# Allegro board AX7021B.brd (continued)
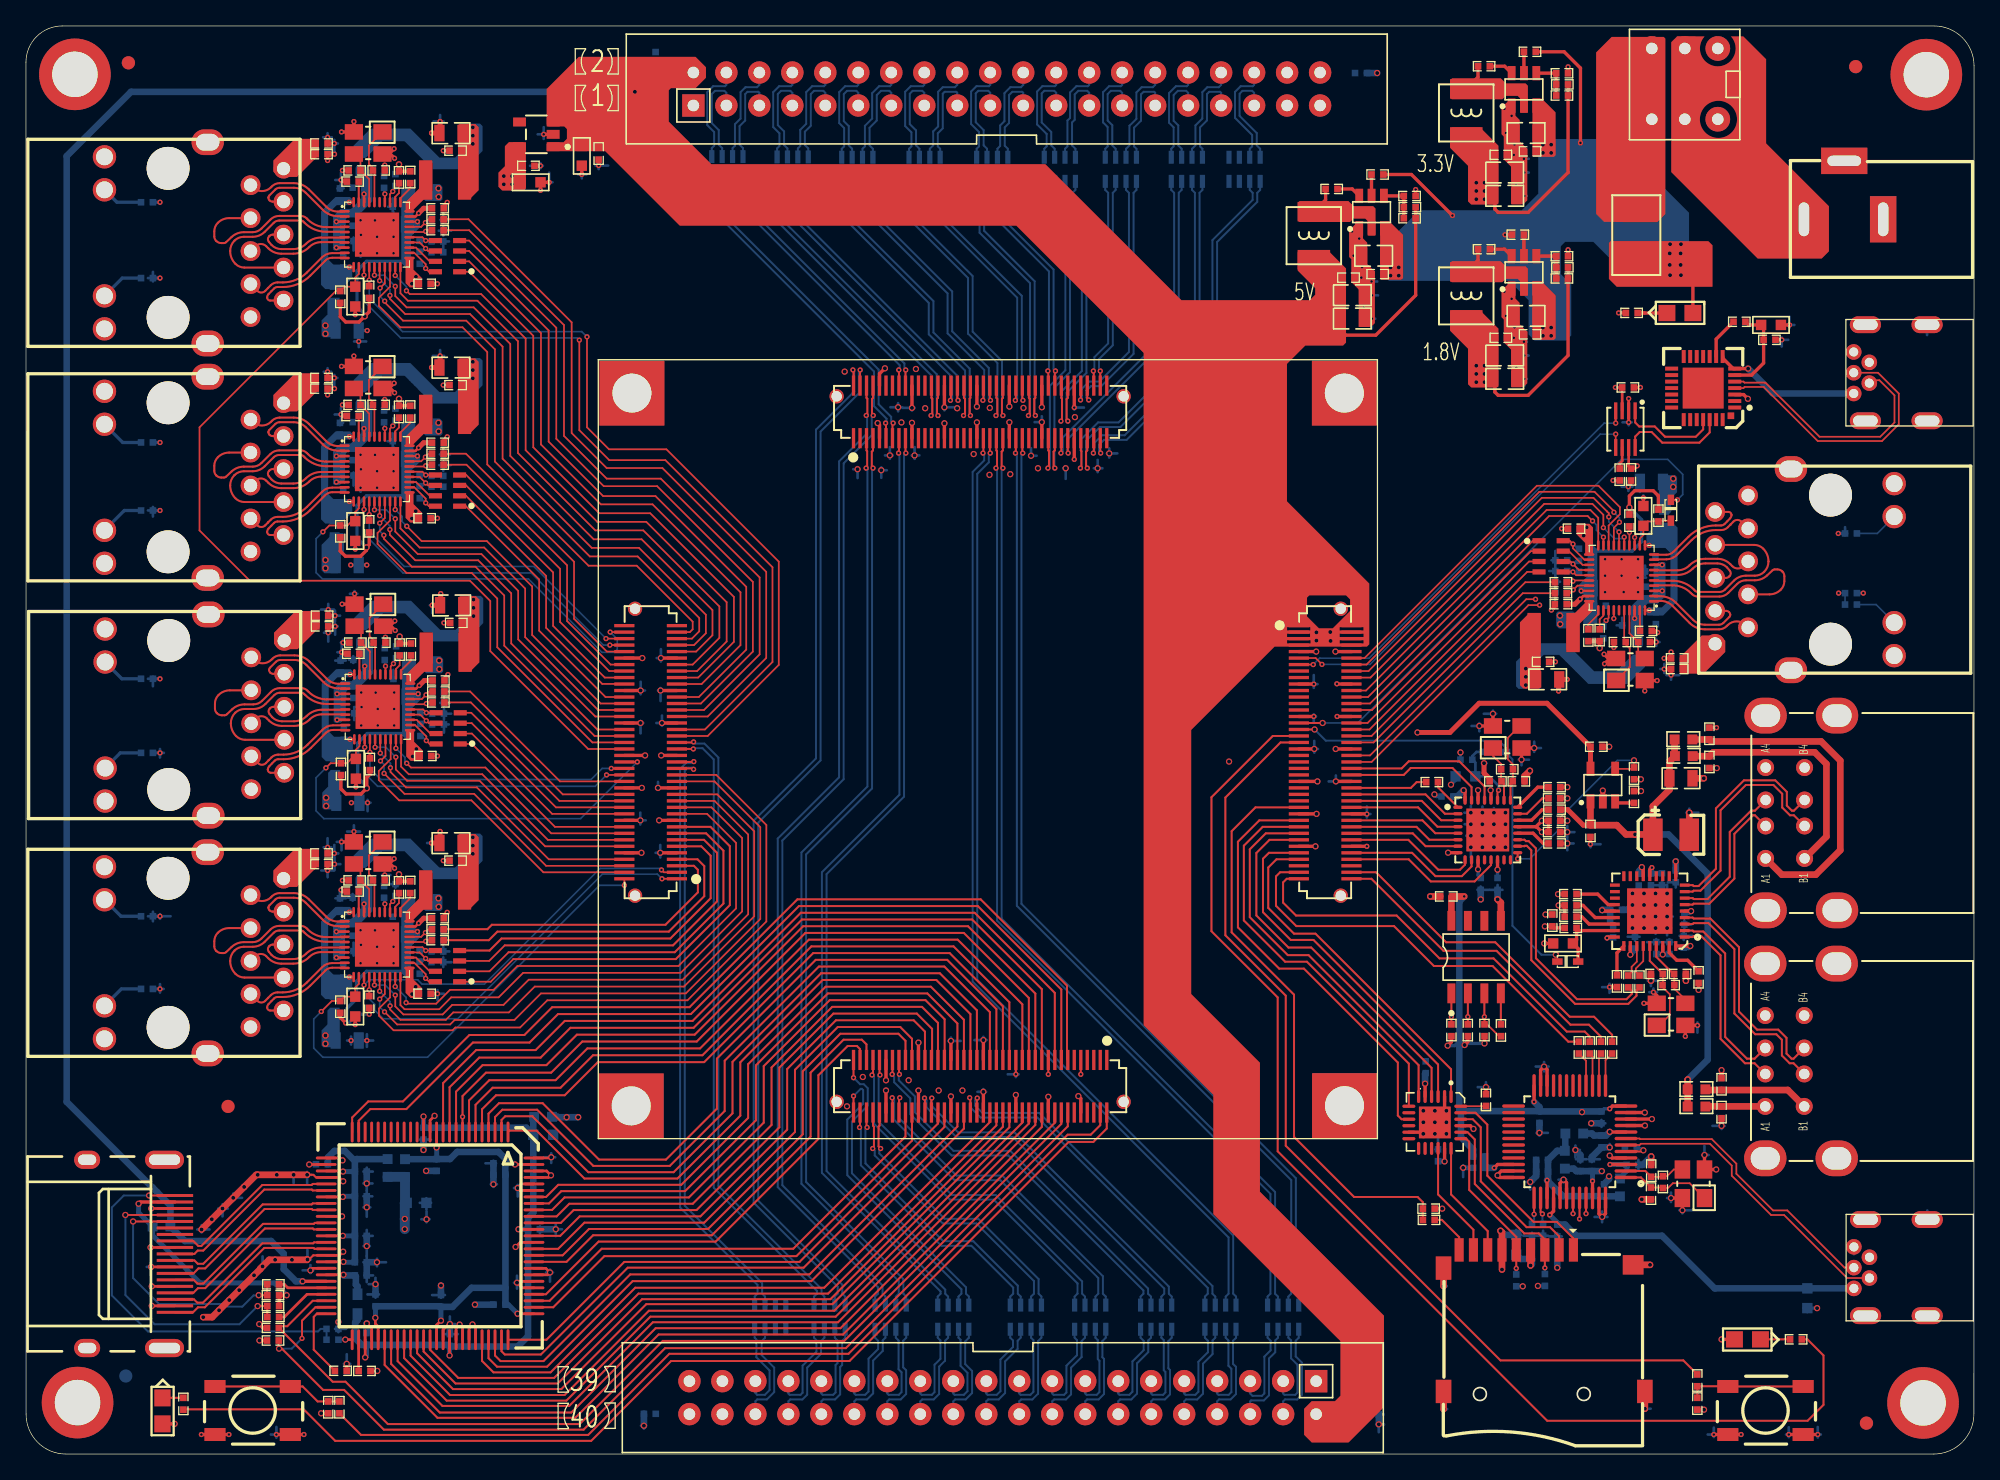
[diagram p0: board, top side]
## Routing (per net, layer and track width the routed paths; a pad name or vN(x,y) marks a point on that pad's centre or on a via; arc(x,y) is an arc through that point) (continued)
  BOTTOM w0.127: v1(28.03,89.25) 28.03,89.7 27.35,90.38 v1(27.23,90.38)
PHY5_TXD3: length 48
  TOP w0.127: CON3.71 51.6,61.81 52.86,63.07 52.86,65.01 47.41,70.46 43.72,70.46 37.29,76.88 37.29,85.51 34.48,88.32 29.31,88.32 28.44,89.2 v1(28.44,89.94) ; U13.15 v1(26.83,90.8)
  BOTTOM w0.127: v1(28.44,89.94) 27.58,90.8 v1(26.83,90.8)
PL_KEY: length 70.1
  TOP w0.152: CON4.4 82.73,25.33 81.99,24.6 80.21,24.6 63.34,7.72 49.55,7.72 43.29,1.47 25.8,1.47 R129.2
PL_LED: length 83.3
  TOP w0.152: CON4.2 83.23,25.07 82.19,24.04 80.29,24.04 63.41,7.16 49.67,7.16 43.52,1.01 23.81,1.01 21.39,3.44 12.15,3.44 R133.1
PS_KEY: length 75.2
  TOP w0.152: R121.2 127.62,7.21 113.54,7.21 97.01,23.75 97.01,35.31 92.36,39.96 92.36,50.57 96.6,54.81 CON1.37
PS_LED: length 95.2
  TOP w0.152: CON1.35 96.01,55.31 91.29,50.59 91.29,40.27 96.39,35.17 96.39,23.32 117.14,2.56 137.19,2.56 138.42,3.79 138.42,7.59 137.18,8.83 R131.1
RGMII_VCC:
  vias: v2(31.77,97.49) v2(31.78,96.83) v2(31.77,79.43) v2(31.78,78.77) v2(31.82,61.12) v2(31.77,42.81) v2(31.78,42.15) v2(31.83,60.46) v2(36.8,98.44) v2(36.8,97.8) v2(37.43,98.44) v2(37.43,97.8)
SD_CD: length 44.8
  TOP w0.152: CON1.57 94.68,49.81 92.84,47.97 92.84,40.19 97.65,35.38 97.65,24.43 102.27,19.8 107.16,19.8 107.57,19.4 R19.1 R20.2
SD_CLK: length 33.6
  TOP w0.152: CON1.61 94.97,48.81 93.32,47.16 93.32,40.57 96.5,37.39 98.41,37.39 105.64,30.16 105.64,26.08 105.93,25.79 U5.9
SD_CMD: length 29.1
  TOP w0.152: CON1.67 95.76,47.31 94.75,46.3 94.75,41.48 97.22,39.01 98.97,39.01 108.24,29.74 U5.4
SD_D0: length 29.7
  TOP w0.152: U5.6 107.24,29.96 98.77,38.43 97.16,38.43 94.24,41.36 94.24,46.58 95.47,47.81 CON1.65
SD_D1: length 31.2
  TOP w0.152: U5.7 106.49,26.79 106.49,30.07 98.64,37.92 96.96,37.92 93.78,41.1 93.78,46.86 95.24,48.31 CON1.63
SD_D2: length 27.1
  TOP w0.152: CON1.73 96.3,45.81 95.66,45.18 95.66,42.07 97.65,40.08 99.3,40.08 109.74,29.64 U5.1
SD_D3: length 27.9
  TOP w0.152: U5.3 108.74,30.01 99.15,39.6 97.39,39.6 95.25,41.74 95.25,45.85 95.71,46.31 CON1.71
TX_0N: length 13.7
  TOP w0.152: J9.9 12.97,14.91 13.23,14.66 13.65,14.66 18.23,19.23 22,19.23 22.08,19.3 U9.33
TX_0P: length 13.7
  TOP w0.152: J9.7 12.9,13.91 13.29,14.3 13.8,14.3 18.37,18.87 22.01,18.87 22.08,18.8 U9.34
TX_1N: length 13.7
  TOP w0.152: U9.36 22.24,17.8 22.17,17.73 18.25,17.73 13.65,13.13 13.19,13.13 12.91,13.41 J9.6
TX_1P: length 13.7
  TOP w0.152: U9.37 22.16,17.3 22.09,17.37 18.4,17.37 13.8,12.78 13.25,12.78 12.89,12.41 J9.4
TX_2N: length 13.7
  TOP w0.152: J9.3 12.94,11.91 13.19,11.66 13.63,11.66 18.2,16.23 22.12,16.23 22.19,16.31 U9.39
TX_2P: length 13.7
  TOP w0.152: J9.1 12.86,10.91 13.25,11.3 13.78,11.3 18.35,15.88 22.15,15.88 22.22,15.8 U9.40
TX_CN: length 13.8
  TOP w0.152: J9.12 12.88,16.41 13.27,16.03 13.5,16.03 18.2,20.73 22,20.73 22.08,20.8 U9.30
TX_CP: length 13.7
  TOP w0.152: U9.31 22.08,20.3 22.01,20.37 18.35,20.37 13.65,15.67 13.23,15.67 12.97,15.41 J9.10
UART_RX: length 33
  TOP w0.127: U4.5 v1(122.42,78.56) ; v1(99.8,60.82) 99.31,61.31 CON1.11
  BOTTOM w0.127: v1(99.8,60.82) 103.49,60.82 121.23,78.56 v1(122.42,78.56)
UART_TX: length 33
  TOP w0.127: CON1.13 v1(99.12,60.81)
  TOP w0.152: U4.4 v1(122.42,79.41)
  BOTTOM w0.127: v1(122.42,79.41) 121.53,79.41 103.43,61.3 99.62,61.3 v1(99.12,60.81)
USB2_5V: length 43.2
  TOP w0.381: C64.1 119.92,48.44 118.72,49.64 R40.1
  TOP w0.508: L26.2 L29.2 127.96,28.83 v3(127.96,28.84) ; U8.1 120.47,50.27 C64.1 122.5,48.44 123.21,47.73 v3(123.91,47.73) 125.25,47.73 C63.1 125.28,49.9 126.55,51.17 C62.1 126.55,53.33 L30.2 126.95,53.78 L27.2
  BOTTOM w0.508: v3(127.96,28.84) 129.5,30.37 129.5,44.7 126.47,47.73 v3(123.91,47.73)
USB_5V: length 27.3
  TOP w0.254: U1.40 117.63,18.71 v1(117.33,18.41)
  BOTTOM w0.381: v1(117.33,18.41) 117.92,17.83 C1.1
  BOTTOM w0.508: J1.1 140.75,12.76 C2.1 130.03,12.76 125.99,16.81 119.38,16.81 118.52,17.68 C1.1
USB_DM: length 2.5
  TOP w0.127: R150.2 123.64,37.12 123.64,37.53 124.04,37.93 U18.30
USB_DP: length 2.6
  TOP w0.127: R151.2 123.97,37.14 123.97,37.4 124.54,37.97 U18.31
USB_VBUS: length 2.7
  TOP w0.254: U7.22 115.94,48.82 116.75,49.64 R40.2
VIDEO1_AVCC: length 22.4
  TOP w0.203: U9.32 v3(24.4,19.8) ; U9.38 v3(24.4,16.8) ; v3(24.41,21.76) 24.37,21.8 U9.28 ; U9.42 v3(24.45,14.8)
  BOTTOM w0.381: C79.1 v3(24.41,21.76) ; C80.1 v3(24.4,16.8) ; C78.1 24.48,14.77 v3(24.45,14.8) ; v3(24.4,19.8) 24.45,19.85 C77.1
  BOTTOM w0.508: C78.1 C80.1 C77.1 C79.1 25.33,22.57 ; L9.1 25.48,22.72 25.33,22.57 ; 25.33,22.57 24.55,23.35 23.75,23.35 23.24,22.84 R51.2
VIDEO1_CORE: length 42.2
  TOP w0.203: v3(31.96,10.28) 31.62,9.94 U9.64 ; U9.55 27.12,9.82 26.9,10.04 v3(26.9,10.49) ; U9.76 v3(37.86,10.8) ; U9.99 v3(37.66,22.3) ; U9.12 v3(31.62,23.61)
  BOTTOM w0.381: v3(26.9,10.49) 26.92,10.51 C73.1 ; v3(37.86,10.8) 37.15,11.51 C74.1 ; v3(31.96,10.28) C71.1 ; C69.1 37.57,22.39 v3(37.66,22.3) ; v3(31.62,23.61) 31.62,23.52 31.63,23.51 C72.1
  BOTTOM w0.508: 36.92,12.8 36.92,21.49 C70.1 C69.1 36.91,22.75 36.39,23.27 33.2,23.27 32.66,22.72 C72.1 31.61,22.71 L8.1 ; 36.92,12.8 C74.1 ; 36.92,12.8 34.32,12.8 32.85,11.33 C71.1 31.91,11.38 C73.1
VIDEO1_VCCIO: length 49.9
  TOP w0.203: U9.89 37.93,17.3 v3(37.93,17.31) ; U9.66 v3(32.62,7.59) ; U9.53 v3(26.12,7.44) ; v3(30.61,26) 30.61,24.81 U9.14
  BOTTOM w0.381: C68.1 32.62,8.3 v3(32.62,7.59) ; v3(26.12,7.44) 26.22,7.55 C67.1 ; v3(37.93,17.31) C66.1 ; v3(30.61,26) C75.1
  BOTTOM w0.508: R43.2 25.53,10.31 25.35,10.13 25.35,8.92 25.86,8.41 C67.1 32.56,8.41 C68.1 32.68,8.28 37.88,8.28 38.66,9.07 C66.1 38.66,18.19 39.07,18.59 C65.1 ; L7.2 39.07,25.91 C65.1 ; C65.1 38.52,25.14 C75.1
VPHY: length 3.8
  TOP w0.254: U1.3 v1(121.98,22.3)
  BOTTOM w0.381: v1(121.98,22.3) 123.22,22.3 C15.1 123.28,22.25 123.28,21.82 122.74,21.29 L2.2
VPLL: length 3.5
  TOP w0.254: v3(121.96,24.82) 121.97,24.8 U1.8
  BOTTOM w0.508: L1.2 120.58,24.69 120.74,24.54 C13.1 121.68,24.54 v3(121.96,24.82)
VUSB_V_EN: length 15.1
  TOP w0.127: v3(123.83,53.43) R42.2 123.72,52.78 U8.4
  TOP w0.152: U7.17 v1(114.87,45.85)
  BOTTOM w0.127: v1(114.87,45.85) 115.8,45.85 117.94,48 117.94,48.83 122.54,53.43 v3(123.83,53.43)
N16524379: length 15.9
  TOP w0.152: U5.23 111.62,26.29 112.53,25.37 112.53,21.44 116.09,17.88 117.89,17.88 119.16,16.61 J3.1
N16524383: length 14.8
  TOP w0.152: J3.2 118.06,16.77 117.36,17.48 115.55,17.48 112.02,21.01 112.02,25.17 111.41,25.79 U5.22
N16524395: length 14.6
  TOP w0.152: U5.20 111.01,24.79 111.57,24.23 111.57,20.8 115.38,16.99 116.49,16.99 116.96,16.53 J3.3 v1(116.96,14.34)
  BOTTOM w0.152: v1(116.96,14.34) 116.97,14.34 R17.1
N16524421: length 12.5
  TOP w0.152: U5.19 110.9,24.29 111.13,24.05 111.13,20.35 114.76,16.72 J3.5 v1(114.76,14.3)
  BOTTOM w0.152: v1(114.76,14.3) 114.76,14.3 R16.1
N16524425: length 9
  TOP w0.152: J3.7 112.56,17.17 109.74,20 U5.18
N16524429: length 8.9
  TOP w0.152: U5.16 108.74,20 111.46,17.28 J3.8
N16546528: length 1.9
  TOP w0.127: U5.24 112.41,26.79 R18.2
N16579258: length 3.4
  TOP w0.152: J3.9 110.36,16.71 109.03,18.04 R20.1
N20033644: length 2.3
  TOP w0.254: LED9.2 124.63,87.89 124.62,87.9 R137.2
N20065139: length 7
  TOP w0.127: C244.2 126.01,20.53 R164.2 126.45,20.49 126.82,20.86 128.11,20.86 Y1.1
  TOP w0.152: C244.2 124.36,21.3 U1.1
N20065143: length 4.8
  TOP w0.127: C243.2 126.01,21.36 R164.1 126.37,21.4 126.89,21.92 Y1.3
  TOP w0.152: C243.2 124.7,21.8 U1.2
N20065179: length 2.7
  TOP w0.127: R3.2 121.63,30.34 U1.13
N20065181: length 2.7
  TOP w0.127: U1.16 120.13,30.29 R6.2
N20065207: length 2.6
  TOP w0.127: R5.2 120.63,30.63 U1.15
N20065314: length 2.4
  TOP w0.152: R12.2 113.57,33.11 U2.4
N20065556: length 2.5
  TOP w0.127: R4.2 121.13,30.7 U1.14
N20065715: length 2.1
  TOP w0.152: v1(116.77,18.49) 116.63,18.63 U1.38
  BOTTOM w0.152: v1(116.77,18.49) 116.77,17.79 C3.2
N20065717: length 2.1
  TOP w0.152: U1.37 v1(116.13,18.47)
  BOTTOM w0.152: C4.2 116.13,17.89 v1(116.13,18.47)
N20065767: length 22.1
  TOP w0.127: J1.3 140.04,14.36 135.63,18.77 134.53,18.77 131.71,21.59 131.71,22.37 129.82,24.26 124.3,24.26 124.26,24.3 U1.7
N20065769: length 23.5
  TOP w0.127: U1.6 124.26,23.8 124.35,23.9 129.67,23.9 131.35,22.22 131.35,21.44 134.38,18.41 135.39,18.41 140.24,13.56 J1.2
N20065771: length 3.2
  TOP w0.254: v1(113.07,22.05) 113.32,22.3 U1.34
  BOTTOM w0.508: R7.2 C5.1 v1(113.07,22.05)
N20065803: length 1.9
  TOP w0.152: U1.5 124.46,23.3 v3(124.55,23.39)
  BOTTOM w0.254: v3(124.55,23.39) 124.42,23.52 R8.2
N20114690: length 3
  TOP w0.254: R39.2 116.42,51.37 U7.24
N20114742: length 1.5
  TOP w0.254: U8.3 122.5,50.15 R41.2
N20114878: length 6.5
  TOP w0.127: C60.2 114.51,51.84 R38.1 114.51,53.11 114.11,53.51 114.11,55.16 115.03,56.08 Y3.3
  TOP w0.152: C60.2 114.32,51.65 U7.25
N20114880: length 4.4
  TOP w0.127: Y3.1 112.96,53.78 113.59,53.15 R38.2 113.59,51.85 C59.2
  TOP w0.152: C59.2 113.82,51.62 U7.26
N20115212: length 2.7
  TOP w0.254: U7.20 116.05,47.82 116.84,47.03 C58.2
N20115232: length 5.9
  TOP w0.152: v1(113.4,51.13) 113.32,51.05 U7.27
  BOTTOM w0.203: v1(113.4,51.13) 113.4,51.48 112.67,52.2 C57.1 111.61,53.25 R36.1 111.38,53.76 111.7,54.08 D2.2
N20115313: length 2.6
  TOP w0.152: R37.2 108.73,51.35 U7.1
N20218751: length 3.8
  TOP w0.203: U9.44 v3(24.45,13.8)
  BOTTOM w0.508: v3(24.45,13.8) 24.5,13.76 C76.2 25.4,13.68 25.4,13.05 25.53,12.92 R43.1
N20218864: length 1.8
  TOP w0.203: v3(21.81,22.3) U9.27
  BOTTOM w0.254: v3(21.81,22.3) 21.82,22.32 R51.1
N20218993: length 4.3
  TOP w0.203: R45.1 19.9,10.56 21.64,12.3 U9.47
N20218995: length 3.7
  TOP w0.203: R44.1 19.89,13.07 20.16,12.8 U9.46
N20218997: length 1.1
  TOP w0.203: v3(24.59,8.81) 25.11,8.81 U9.51
  BOTTOM w0.152: v3(24.59,8.81) 24.58,8.81 R47.1
N20218999: length 2.4
  TOP w0.203: R46.1 25.62,6.4 U9.52
N20219151: length 5.9
  TOP w0.152: U9.50 22.4,10.8 22.16,10.57 22.16,8.04 R50.1
N20246377: length 10.1
  TOP w0.152: R129.1 R123.1 22.46,4.05 21.31,5.2 KEY2.3 KEY2.4
N20246467: length 1.6
  TOP w0.152: LED2.2 10.52,4.33 R133.2
N20257827: length 2.3
  TOP w0.152: LED1.2 133.56,8.83 R131.2
N20257996: length 9
  TOP w0.152: R119.1 R121.1 131.04,5.22 KEY1.4 KEY1.3
N20328280: length 11.3
  TOP w0.254: U3.8 130.65,84.42 131.46,83.61 U3.7 v3(132.61,83.61)
  BOTTOM w0.508: J2.1 134.53,81.69 v3(132.61,83.61)
N20328299: length 19.1
  TOP w0.127: U3.5 132.25,82.61 132.34,82.53 133.95,82.53 138.11,78.36 142.79,78.36 143.89,79.46 143.89,81.55 142.72,82.71 142.17,82.71 J2.2
N20328339: length 21.4
  TOP w0.127: U3.4 132.25,82.11 132.34,82.2 133.81,82.2 137.97,78.03 142.92,78.03 144.22,79.32 144.22,81.69 142.61,83.29 J2.3
N20328351: length 3.2
  TOP w0.254: R159.1 130.15,85.88 U3.9
N20328357: length 6.9
  TOP w0.254: R159.2 132.65,86.97 C221.1 133.81,86.78 C222.1 133.81,84.04 132.88,83.11 U3.6
N20328387: length 8.4
  TOP w0.152: U3.26 129.65,78.69 128.86,77.9 126,77.9 125.18,78.72 124.27,78.72 123.92,78.37 U4.8
N20328389: length 7.6
  TOP w0.152: U4.1 123.92,79.46 124.22,79.15 125.42,79.15 126.21,78.36 128.58,78.36 129.15,78.93 U3.25
N20365659: length 5.9
  TOP w0.254: U18.26 119.61,40.32 R153.1 119.4,39.61 C236.1 119.53,38.93 D3.2
N20365863: length 2.5
  TOP w0.254: R152.2 122.51,38.61 U18.28
N20365866: length 3.3
  TOP w0.254: U18.22 121.84,42.32 121.03,43.13 R154.2
N20365873: length 3.3
  TOP w0.254: U18.24 120.84,41.32 119.9,42.26 R155.2
N20365876: length 3.2
  TOP w0.254: U18.25 120.37,40.82 119.8,41.39 R156.2
N20366975: length 1.7
  TOP w0.254: v3(126.04,38.48) U18.34
  BOTTOM w0.381: C230.1 126.08,38.52 v3(126.04,38.48) 126,38.52 C231.1
N20366989: length 2.1
  TOP w0.254: U18.14 125.04,45.01 v1(125.2,45.17)
  BOTTOM w0.381: v1(125.2,45.17) 125.13,45.1 C232.1 125.14,44.73 C233.1
N20367850: length 5.4
  TOP w0.127: C234.2 126.94,36.95 R157.1 126.94,35.84 127.78,35 Y8.3
  TOP w0.152: U18.33 125.54,38.3 126.86,36.98 C234.2
N20367872: length 7.3
  TOP w0.127: C235.2 126.04,36.14 R157.2 126.02,35.97 126.58,35.41 126.58,33.82 125.78,33.02 Y8.1
  TOP w0.152: C235.2 125.04,37.99 U18.32
N20369652: length 3.4
  TOP w0.254: R158.2 127.96,38.03 127.12,38.03 126.54,38.61 U18.35
N20375664: length 1.1
  TOP w0.254: v1(121.75,39.74) 121.82,39.82 U18.27
  BOTTOM w0.381: v1(121.75,39.74) 121.8,39.8 R163.1
N20563050: length 1.7
  TOP w0.254: R318.2 103.61,96.91 U20.5
N20563056: length 1.9
  TOP w0.254: U20.6 102.13,97.44 C616.1
N20563058: length 2.1
  TOP w0.254: L39.1 100.08,96.6 C616.2
N20563082: length 3.2
  TOP w0.254: U20.4 106.09,96.91 R316.1 R317.2 C618.1
N20564763: length 1.7
  TOP w0.254: U54.5 115.35,106.37 R325.2
N20564775: length 1.9
  TOP w0.254: U54.6 113.87,106.9 C628.1
N20564779: length 2.1
  TOP w0.254: L41.1 111.81,106.06 C628.2
N20564823: length 3.2
  TOP w0.254: U54.4 117.83,106.36 R323.1 R324.2 C629.1
N20565792: length 1.7
  TOP w0.254: U53.5 115.35,92.28 R326.2
N20565796: length 1.9
  TOP w0.254: C622.1 113.87,92.81 U53.6
N20565808: length 2.1
  TOP w0.254: L40.1 111.81,91.96 C622.2
N20565842: length 3.2
  TOP w0.254: U53.4 117.83,92.27 R319.1 R320.2 C624.1
N20568336: length 3.9
  TOP w0.127: D35.2 125.77,71.9 R1026.1 124.88,71.83 C1504.1 124.55,70.79 124.27,70.51 U6.12
N20568727: length 6
  TOP w0.127: Y9.1 123.5,60.62 123.5,62.06 123.19,62.36 C675.1 123.07,62.66 U6.36
N20568740: length 4.2
  TOP w0.127: U6.37 123.47,63.22 C676.1 124.15,61.78 Y9.3
N20569120: length 3.4
  BOTTOM w0.127: R1034.1 142.56,70.91 J4.13
N20569150: length 3.4
  BOTTOM w0.127: R1035.1 142.47,65.43 J4.12
N20571427: length 6
  TOP w0.127: Y4.1 26.41,46.11 26.41,44.67 26.71,44.37 C1505.1 26.83,44.07 U10.36
N20571435: length 4.2
  TOP w0.127: Y4.3 25.76,44.95 C1506.1 26.43,43.51 U10.37
N20571809: length 3.4
  BOTTOM w0.254: R1051.1 7.35,35.83 J10.13
N20573187: length 3.3
  BOTTOM w0.254: J10.12 7.31,41.42 R1052.1
N20576849: length 6
  TOP w0.127: U11.36 26.88,62.38 C1513.1 26.77,62.68 26.46,62.99 26.46,64.42 Y10.1
N20576857: length 4.2
  TOP w0.127: Y10.3 25.81,63.26 C1514.1 26.48,61.82 U11.37
N20577227: length 3.3
  BOTTOM w0.254: J11.13 7.27,54.01 R1068.1
N20577644: length 3.3
  BOTTOM w0.254: J11.12 7.39,59.71 R1069.1
N20580897: length 6
  TOP w0.127: U12.36 26.83,80.69 C1530.1 26.71,81 26.41,81.3 26.41,82.74 Y11.1
N20580905: length 4.2
  TOP w0.127: U12.37 26.43,80.14 C1531.1 25.76,81.57 Y11.3
N20581275: length 3.5
  BOTTOM w0.254: R1086.1 7.57,72.68 J12.13
N20581722: length 3.4
  BOTTOM w0.254: R1087.1 7.45,77.92 J12.12
N20585514: length 6
  TOP w0.127: Y12.1 26.41,100.8 26.41,99.36 26.71,99.06 C1547.1 26.83,98.75 U13.36
N20585516: length 4.2
  TOP w0.127: U13.37 26.43,98.2 C1548.1 25.76,99.63 Y12.3
N20585908: length 3.4
  BOTTOM w0.254: R1104.1 7.42,90.58 J13.13
N20586345: length 3.2
  BOTTOM w0.254: J13.12 7,96.42 R1105.1
N203282594: length 1.7
  TOP w0.203: U4.6 122.92,76.5 122.73,76.31 R160.2

## Copper pours and planes (outline as drawn; the poured copper is in the pictures)
GND on TOP (solid shape): 102.96,94.85 102.96,93.63 103.28,93.31 103.28,91.66 103.87,91.07 103.87,87.11 103.57,86.82 102.67,86.82 102.64,86.85 102.64,89.7 102.06,90.27 102.06,92.03 101.89,92.21 101.89,94.25 102.53,94.89 102.93,94.89
GND on TOP (solid shape): 114.69,104.31 114.69,103.09 115.02,102.76 115.02,101.11 115.61,100.53 115.61,96.57 115.31,96.27 114.41,96.27 114.37,96.31 114.37,99.15 113.8,99.73 113.8,101.49 113.63,101.66 113.63,103.7 114.26,104.34 114.66,104.34
GND on TOP (solid shape): 114.69,90.22 114.69,88.99 115.02,88.67 115.02,87.02 115.61,86.43 115.61,82.48 115.31,82.18 114.41,82.18 114.37,82.22 114.37,85.06 113.8,85.64 113.8,87.4 113.63,87.57 113.63,89.61 114.26,90.25 114.66,90.25
GND on BOTTOM: 146.94,109.29 148.61,108.6 149.3,106.93 149.29,3.1 148.59,1.41 146.91,0.71 3.07,0.71 1.41,1.4 0.72,3.07 0.71,107.21 1.32,108.68 2.79,109.29 ; 28 cut-outs
GND on BOTTOM: 80.54,79.67 80.48,79.77 80.39,79.85 80.39,81.16 80.88,81.16 81.01,80.93 81.27,80.87 81.36,80.9 81.43,80.95 81.52,80.99 81.61,80.95 81.7,80.89 81.85,80.85 81.88,80.82 81.09,80.04 81.09,80 80.76,79.67
GND on SGND: 146.94,109.49 148.75,108.74 149.5,106.93 149.49,3.1 148.74,1.27 146.91,0.51 3.07,0.51 1.26,1.26 0.52,3.07 0.51,107.21 1.18,108.82 2.79,109.49 123.19,109.49 123.19,106.06 132.44,106.06 132.44,109.49
VCC1V8 on TOP (solid shape): 113.39,86.68 113.39,82.31 113.23,82.16 111.29,82.16 111.05,82.4 111.05,85.14 109.67,86.52 109.67,87.95 109.82,88.1 111.96,88.1
VCC1V8 on BOTTOM (solid shape): 119.25,64.8 119.25,63.72 119.12,63.59 118.05,63.59 117.83,63.81 117.83,64.77 117.96,64.9 119.14,64.9
VCC1V8 on BOTTOM: 27.39,16.84 27.39,21.74 29.58,21.74 29.73,21.59 29.73,16.79 29.52,16.59 27.65,16.59
VCC1V8 on SVCC: 28.79,16.01 29.36,15.45 95.51,15.45 108.08,28.02 108.08,34.58 115.55,42.05 115.55,51.73 120.45,56.64 120.45,64.4 119.99,64.87 117.35,64.87 116.46,63.98 116.46,58.99 116.02,58.55 113.93,58.55 113.2,59.28 113.2,83.75 112.47,84.47 107.93,84.47 107.55,84.09 107.55,47.73 79.39,19.58 29.42,19.58 28.79,18.95
VCC3V3 on TOP (solid shape): 113.39,100.77 113.39,96.4 113.23,96.25 111.29,96.25 111.05,96.49 111.05,99.23 109.67,100.61 109.67,102.04 109.82,102.2 111.96,102.2
VCC3V3 on BOTTOM (solid shape): 24.16,88.87 24.16,86.18 24,86.02 22.9,86.02 22.76,86.16 22.76,87.32 23.22,87.78 23.22,88.85 23.36,89 24.03,89
VCC3V3 on BOTTOM (solid shape): 24.16,34.18 24.16,31.5 24,31.33 22.9,31.33 22.76,31.47 22.76,32.64 23.22,33.09 23.22,34.17 23.36,34.31 24.03,34.31
VCC3V3 on BOTTOM (solid shape): 24.21,52.49 24.21,49.81 24.05,49.65 22.95,49.65 22.81,49.79 22.81,50.95 23.27,51.41 23.27,52.48 23.41,52.62 24.08,52.62
VCC3V3 on BOTTOM (solid shape): 127.15,75.26 127.15,74.1 126.69,73.64 126.69,72.56 126.54,72.42 125.88,72.42 125.75,72.55 125.75,75.23 125.91,75.4 127.01,75.4
VCC3V3 on BOTTOM (solid shape): 24.49,70.86 24.49,69.45 24.24,69.19 24.24,68.07 24.01,67.84 22.98,67.84 22.76,68.07 22.76,70.03 23.39,70.66 23.39,70.85 23.48,70.94 24.41,70.94
VCC3V3 on BOTTOM: 102.58,107.47 102.58,102.46 102.24,102.13 98.61,102.13 98.33,102.41 98.33,107.59 98.66,107.92 102.12,107.92
VCC3V3 on BOTTOM: 52.33,2.03 51.95,1.65 48.45,1.65 48.24,1.85 48.24,6.25 48.27,6.27 48.27,6.91 48.85,7.49 51.83,7.49 52.33,6.98
VCC3V3 on SVCC: 146.94,109.29 148.61,108.6 149.3,106.93 149.29,3.1 148.59,1.41 146.91,0.71 3.07,0.71 1.41,1.4 0.72,3.07 0.71,107.21 1.32,108.68 2.79,109.29 ; 8 cut-outs
VCC5V on TOP (solid shape): 52.36,106.82 52.36,106.01 51.56,105.21 49.66,105.21 49.5,105.05 49.5,102.63 52.78,99.35 78.5,99.35 88.97,88.88 98.85,88.88 99.28,89.3 99.28,89.81 97.93,91.16 97.93,92.58 98.09,92.74 100.23,92.74 101.65,91.32 101.65,85.61 101.42,85.39 98.52,85.39 97.1,83.98 97.1,73.38 103.44,67.05 103.44,62.37 103.26,62.2 96.15,62.2 89.73,55.78 89.73,35.43 95.02,30.14 95.02,20.21 104.57,10.65 104.57,3.62 101.84,0.89 99.01,0.89 98.42,1.48 98.42,3.49 99.01,4.07 100.8,4.07 101.22,4.49 101.22,8.7 91.43,18.49 91.43,27.67 86.07,33.03 86.07,62.43 103,62.43 103,62.69 101.16,62.69 101.16,62.43 86.07,62.43 86.07,62.44 98.92,62.44 98.92,62.69 97.11,62.69 97.11,62.44 86.07,62.44 86.07,62.94 103,62.94 103,63.19 101.16,63.19 101.16,62.94 86.07,62.94 97.11,62.94 98.88,62.94 98.88,63.19 97.11,63.19 97.11,62.94 86.07,62.94 86.07,63.43 103,63.43 103,63.69 101.16,63.69 101.16,63.43 86.07,63.43 86.07,63.43 98.9,63.43 98.9,63.69 97.11,63.69 97.11,63.43 86.07,63.43 86.07,65.97 98.65,65.97 98.65,64.52 99.57,63.6 100.63,63.6 101.96,64.94 101.96,65.83 101.65,66.14 98.82,66.14 98.65,65.97 86.07,65.97 86.07,84.82 76.26,94.62 50.34,94.62 44.61,100.35 40.13,100.35 40.09,100.39 40.09,100.9 40.24,101.04 41.39,101.04 41.65,101.31 41.65,102.06 41.45,102.26 40.25,102.26 40.1,102.41 40.1,105.15 42.58,107.62 51.56,107.62
VCC5V on BOTTOM: 99.07,4.36 102.66,4.36 103.54,3.48 103.54,1.8 103.06,1.32 98.77,1.32 98.47,1.61 98.47,3.76
VCC5V on BOTTOM: 48.21,107.34 51.97,107.34 52.25,107.06 52.25,105.69 51.94,105.37 48.43,105.37 48.1,105.71 48.1,107.23
VCC12V on TOP (solid shape): 126.59,93.42 129.55,93.42 129.87,93.1 129.87,89.92 122.49,89.92 121.9,90.51 121.9,93.28 122.05,93.43 126.58,93.43
VCC12V on TOP (solid shape): 106.05,93.89 106.05,90.59 105.93,90.47 104.36,90.47 104.28,90.55 104.28,94.94 104.29,94.95 104.98,94.95
VCC12V on TOP (solid shape): 117.78,103.34 117.78,100.04 117.67,99.92 116.1,99.92 116.01,100.01 116.01,104.39 116.03,104.41 116.72,104.41
VCC12V on TOP (solid shape): 117.78,89.25 117.78,85.95 117.67,85.83 116.1,85.83 116.01,85.92 116.01,90.3 116.03,90.32 116.72,90.32
VCC12V on BOTTOM (solid shape): 128.07,95.61 128.07,90.77 127.77,90.48 123.59,90.48 120.69,93.37 118.53,93.37 118.19,93.03 118.19,90.89 118.99,90.09 118.99,86.16 118.6,85.77 116.17,85.77 115.71,86.23 115.71,88.87 114.21,90.37 104.95,90.37 104.54,90.78 104.54,93.05 107.29,95.8 115.17,95.8 116.45,97.08 116.45,100.96 116.79,101.3 122.38,101.3
PHY1_ADVDDL on BOTTOM (solid shape): 126.26,68.63 126.26,66.09 125.68,65.51 124.88,65.51 124.53,65.16 124.53,62.32 124.48,62.27 123.68,62.27 123.57,62.38 123.57,65.27 124.46,66.16 125.15,66.16 125.28,66.29 125.28,66.83 125.34,66.88 125.34,68.32 125.73,68.71 126.17,68.71
PHY1_AVDD33 on BOTTOM (solid shape): 127.18,71.36 127.18,65.7 126.08,64.59 124.85,64.59 124.79,64.65 124.79,65.08 124.93,65.22 125.98,65.22 126.64,65.87 126.64,69.4 126.24,69.79 124.87,69.79 124.78,69.88 124.78,70.83 125.64,71.68 126.86,71.68
PHY1_DVDDL on TOP (solid shape): 116.64,64.75 116.64,59.07 116.54,58.97 115.3,58.97 115.04,59.22 115.04,64.06 115.75,64.77 116.62,64.77
PHY1_DVDDL on TOP (solid shape): 120.67,71.37 120.67,69.32 120.54,69.2 120.17,69.2 120.07,69.3 120.07,70.18 119.41,70.85 119.41,71.5 119.55,71.65 120.39,71.65
PHY1_DVDDL on BOTTOM (solid shape): 120.75,60.3 122.46,60.3 123.69,61.53 124.52,61.53 124.69,61.36 124.69,60.64 123.36,59.32 120.31,59.32 118.07,61.56 116.87,61.56 116.12,60.81 116.12,59.16 115.89,58.94 114.94,58.94 114.75,59.13 114.75,61.04 116.16,62.45 118.6,62.45
PHY1_DVDDL on SVCC: 115.57,58.91 114.19,58.91 113.64,59.46 113.64,71.16 116.05,73.57 119.17,73.57 120.67,72.07 120.67,70.94 120.2,70.47 119.1,70.47 115.34,66.72 115.34,61.5 115.98,60.87 115.98,59.32
PHY1_IODVDD on BOTTOM (solid shape): 121,69.68 121,64.02 120.83,63.84 120.16,63.84 120.07,63.93 120.07,66.09 119.89,66.27 119.68,66.27 119.56,66.39 119.56,66.92 120.26,67.63 120.26,69.91 120.31,69.96 120.72,69.96
PHY1_REGOUT on TOP (solid shape): 120.67,65.76 120.67,64.98 119.62,63.94 119.62,61.86 119.6,61.84 118.73,61.84 118.61,61.96 118.61,64.11 120.29,65.79 120.63,65.79
PHY2_ADVDDL on BOTTOM (solid shape): 26.67,44.02 26.67,41.79 25.44,40.57 24.76,40.57 24.63,40.44 24.63,39.9 24.57,39.85 24.57,38.41 24.17,38.02 23.73,38.02 23.65,38.1 23.65,40.64 24.22,41.22 25.02,41.22 25.82,42.01 25.82,43.16 25.38,43.6 25.38,44.41 25.42,44.46 26.23,44.46
PHY2_AVDD33 on BOTTOM (solid shape): 25.12,41.99 25.12,41.65 24.97,41.51 23.93,41.51 23.27,40.86 23.27,37.34 23.67,36.94 25.03,36.94 25.12,36.85 25.12,35.9 24.27,35.05 23.05,35.05 22.72,35.37 22.72,41.03 23.83,42.14 24.96,42.14
PHY2_DVDDL on TOP (solid shape): 34.86,47.51 34.86,42.67 34.16,41.96 33.28,41.96 33.27,41.98 33.27,47.66 33.37,47.76 34.61,47.76
PHY2_DVDDL on TOP (solid shape): 29.84,37.43 29.84,36.55 30.5,35.88 30.5,35.23 30.41,35.13 29.62,35.13 29.23,35.52 29.23,37.41 29.36,37.54 29.74,37.54
PHY2_DVDDL on BOTTOM (solid shape): 35.16,47.6 35.16,45.69 33.75,44.28 31.3,44.28 29.15,46.43 27.44,46.43 26.21,45.2 25.38,45.2 25.22,45.37 25.22,46.09 26.54,47.41 29.6,47.41 31.84,45.17 33.04,45.17 33.79,45.92 33.79,47.57 34.01,47.79 34.97,47.79
PHY2_DVDDL on SVCC: 33.78,47.92 35,47.92 35.21,47.71 35.21,37.15 35.2,37.14 35.2,36.95 32.86,34.6 29.55,34.6 29.16,34.99 29.16,36.01 29.5,36.36 31.33,36.36 33.37,38.41 33.37,47.52
PHY2_IODVDD on BOTTOM (solid shape): 29.84,42.8 29.84,40.64 30.01,40.46 30.23,40.46 30.35,40.34 30.35,39.81 29.65,39.11 29.65,36.82 29.6,36.77 29.19,36.77 28.9,37.05 28.9,42.71 29.08,42.89 29.75,42.89
PHY2_REGOUT on TOP (solid shape): 31.29,44.78 31.29,42.62 29.62,40.94 29.27,40.94 29.24,40.98 29.24,41.75 30.28,42.79 30.28,44.87 30.3,44.89 31.18,44.89
PHY3_ADVDDL on BOTTOM (solid shape): 26.72,62.33 26.72,60.11 25.49,58.88 24.81,58.88 24.68,58.75 24.68,58.22 24.62,58.16 24.62,56.73 24.22,56.33 23.78,56.33 23.7,56.42 23.7,58.95 24.28,59.53 25.07,59.53 25.87,60.33 25.87,61.47 25.43,61.91 25.43,62.73 25.47,62.77 26.28,62.77
PHY3_AVDD33 on BOTTOM (solid shape): 25.17,60.3 25.17,59.97 25.02,59.82 23.98,59.82 23.32,59.17 23.32,55.65 23.72,55.25 25.08,55.25 25.17,55.16 25.17,54.21 24.32,53.36 23.1,53.36 22.77,53.68 22.77,59.35 23.88,60.46 25.01,60.46
PHY3_DVDDL on TOP (solid shape): 34.91,65.82 34.91,60.98 34.21,60.28 33.33,60.28 33.32,60.29 33.32,65.97 33.42,66.07 34.66,66.07
PHY3_DVDDL on TOP (solid shape): 29.89,55.75 29.89,54.86 30.55,54.2 30.55,53.54 30.4,53.39 29.63,53.39 29.28,53.74 29.28,55.72 29.41,55.85 29.79,55.85
PHY3_DVDDL on BOTTOM (solid shape): 35.21,65.91 35.21,64 33.8,62.59 31.36,62.59 29.2,64.75 27.49,64.75 26.27,63.52 25.43,63.52 25.27,63.68 25.27,64.4 26.59,65.73 29.65,65.73 31.89,63.49 33.09,63.49 33.84,64.23 33.84,65.88 34.06,66.11 35.02,66.11
PHY3_DVDDL on SVCC: 33.89,66.22 35.11,66.22 35.32,66.01 35.32,55.44 35.31,55.44 35.31,55.24 32.97,52.9 29.66,52.9 29.27,53.29 29.27,54.31 29.61,54.65 31.44,54.65 33.48,56.7 33.48,65.81
PHY3_IODVDD on BOTTOM (solid shape): 29.89,61.11 29.89,58.95 30.06,58.78 30.28,58.78 30.4,58.66 30.4,58.12 29.7,57.42 29.7,55.13 29.65,55.08 29.24,55.08 28.95,55.37 28.95,61.03 29.13,61.2 29.8,61.2
PHY3_REGOUT on TOP (solid shape): 31.34,63.09 31.34,60.93 29.67,59.25 29.33,59.25 29.29,59.29 29.29,60.06 30.33,61.11 30.33,63.19 30.35,63.21 31.23,63.21
PHY4_ADVDDL on BOTTOM (solid shape): 26.67,80.64 26.67,78.42 25.44,77.2 24.76,77.2 24.63,77.06 24.63,76.53 24.57,76.47 24.57,75.04 24.17,74.65 23.73,74.65 23.65,74.73 23.65,77.27 24.22,77.85 25.02,77.85 25.82,78.64 25.82,79.79 25.38,80.22 25.38,81.04 25.42,81.08 26.23,81.08
PHY4_AVDD33 on BOTTOM (solid shape): 25.12,78.61 25.12,78.28 24.97,78.14 23.92,78.14 23.27,77.48 23.27,73.96 23.67,73.56 25.03,73.56 25.12,73.47 25.12,72.53 24.27,71.67 23.05,71.67 22.72,72 22.72,77.66 23.83,78.77 24.96,78.77
PHY4_DVDDL on TOP (solid shape): 34.86,84.13 34.86,79.29 34.16,78.59 33.28,78.59 33.27,78.6 33.27,84.29 33.37,84.39 34.61,84.39
PHY4_DVDDL on TOP (solid shape): 29.84,74.06 29.84,73.17 30.5,72.51 30.5,71.85 30.4,71.75 29.59,71.75 29.23,72.1 29.23,74.03 29.36,74.16 29.74,74.16
